# Altium PCB qfc.PcbDoc (part 13 of 13) (continued)
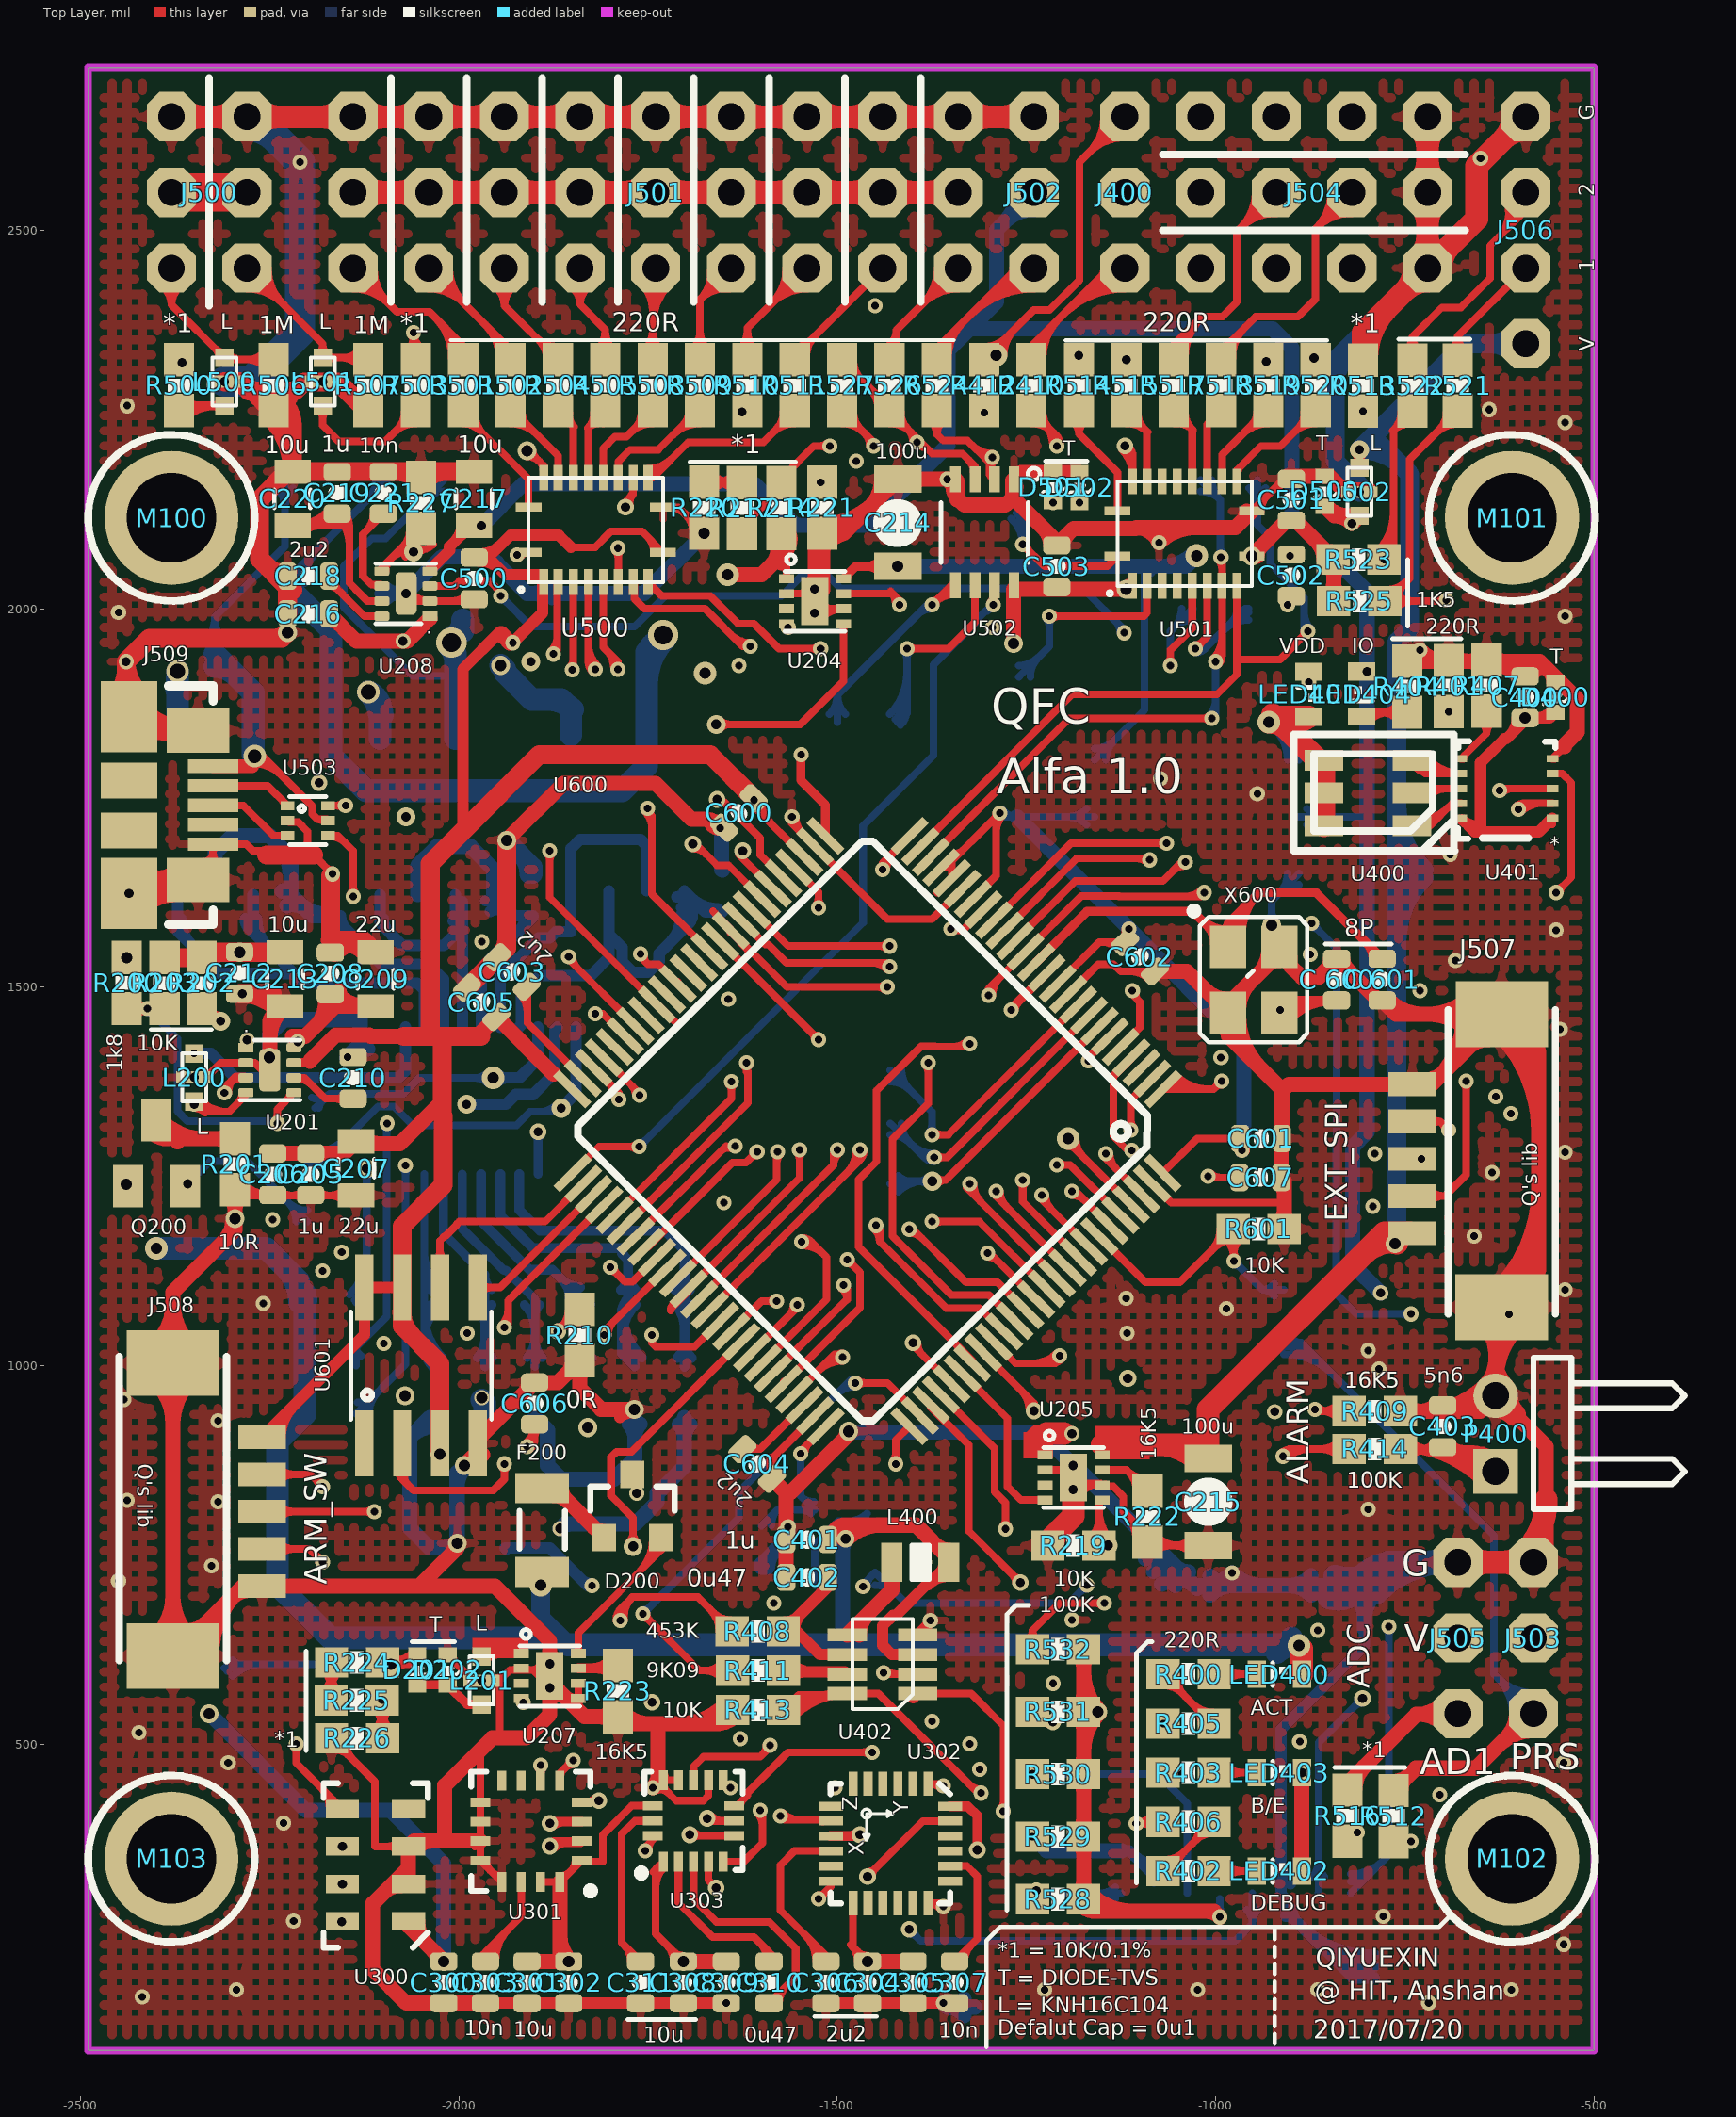
[diagram p0: Top Layer view]
## Nets (pads, with @x,y where several pads share a name; then routed paths per layer and width w, separated by ;. In a path a pad name is that pad's centre, name@x,y a point inside that pad or via, vN(x,y) a via of type N, cw(c..) or ccw(c..) an arc to the next point about the centre after c; other vN are vias at no path point) (continued)
  Bottom Layer w15: v1(-2350,1412.24) -2327.59,1412.24 -2295.51,1380.16 -2079.84,1380.16 -2070.5,1389.5 U206.15@-2070.5,1447
  Bottom Layer w20: -1493,631 -1493,767 v9(-1489,771) ; -1493,757.72 cw(c-1475.72,757.72) v9@-1487.94,769.94 ; -1493,757.72 cw(c-1475.72,757.72) v9@-1487.94,769.94 ; -1493,757.72 cw(c-1475.72,757.72) v9@-1487.94,769.94 ; -1493,757.72 cw(c-1475.72,757.72) v9@-1487.94,769.94
  Bottom Layer w25: v5(-1892,710) -1892,666.86 -1856.14,631
  Bottom Layer w30: v5(-2400,1155) -2255,1155 -2212,1112 -2212,1103.24 -2203.5,1094.74 R204.2@-2203.5,1083 R205.2@-2203.5,999.53 R206.2@-2203.5,936.06 -2240,899.56 -2240,710 -2170,640 -1880,640 ; U203.5@-2372,1828 -2372,1893 ; U202.5@-2104.5,1828 -2104.5,1874.5 v10(-2120,1890) ; v3(-1945,1925) -1939.5,1919.5 -1939.5,1915.71 -1903.79,1880 -1865,1880 -1852,1867 U200.5@-1852,1833 ; -1856.14,631 -1493,631 -909,631 v5@-900,640 ; -2372,1893 -2373,1892 v10(-2372,1917) -2372,1893 ; -2229.94,1129.94 cw(c-2276.88,1083) R204.2@-2210.5,1083 ; -2229.94,1129.94 cw(c-2276.88,1083) R204.2@-2210.5,1083 ; -2229.94,1129.94 cw(c-2276.88,1083) R204.2@-2210.5,1083 ; -2229.94,1129.94 cw(c-2276.88,1083) R204.2@-2210.5,1083 ; -2223.25,1123.25 cw(c-2255.54,1090.95) R204.2@-2210.43,1083.79 ; -2223.25,1123.25 cw(c-2255.54,1090.95) R204.2@-2210.43,1083.79 ; -2223.25,1123.25 cw(c-2255.54,1090.95) R204.2@-2210.43,1083.79 ; -2223.25,1123.25 cw(c-2255.54,1090.95) R204.2@-2210.43,1083.79 ; -2212,1110.77 ccw(c-2177.73,1110.77) R204.2@-2201.96,1086.54 ; -2212,1110.77 ccw(c-2177.73,1110.77) R204.2@-2201.96,1086.54 ; -2212,1110.77 ccw(c-2177.73,1110.77) R204.2@-2201.96,1086.54 ; -2212,1110.77 ccw(c-2177.73,1110.77) R204.2@-2201.96,1086.54 ; v10(-2120,1890) cw(c-2157.42,1852.58) U202.5@-2104.5,1852.58 ; v10(-2120,1890) cw(c-2127.75,1868.08) U202.5@-2104.5,1868.08 ; v10(-2120,1890) cw(c-2157.42,1852.58) U202.5@-2104.5,1852.58 ; v10(-2120,1890) cw(c-2127.75,1868.08) U202.5@-2104.5,1868.08 ; v10(-2120,1890) cw(c-2157.42,1852.58) U202.5@-2104.5,1852.58 ; v10(-2120,1890) cw(c-2127.75,1868.08) U202.5@-2104.5,1868.08 ; v10(-2120,1890) cw(c-2157.42,1852.58) U202.5@-2104.5,1852.58 ; v10@-2109.98,1879.98 cw(c-2130.46,1859.5) U202.5@-2101.5,1859.5 ; v10@-2109.98,1879.98 cw(c-2130.46,1859.5) U202.5@-2101.5,1859.5 ; v10@-2109.98,1879.98 cw(c-2130.46,1859.5) U202.5@-2101.5,1859.5 ; v10@-2109.98,1879.98 cw(c-2130.46,1859.5) U202.5@-2101.5,1859.5 ; -1882.17,1880 cw(c-1882.17,1834.33) U200.5@-1849.88,1866.62 ; -1882.17,1880 cw(c-1882.17,1834.33) U200.5@-1849.88,1866.62 ; -1882.17,1880 cw(c-1882.17,1834.33) U200.5@-1849.88,1866.62 ; -1882.17,1880 cw(c-1882.17,1834.33) U200.5@-1849.88,1866.62 ; -919,621 cw(c-895.95,597.95) v5(-890,630) ; -919,621 cw(c-895.95,597.95) v5(-890,630) ; -919,621 cw(c-895.95,597.95) v5(-890,630)
VDD_5V_PERIPH: 5V_PER.P$1 C215.P$1 J506.VCC J507.1 L502.P$2 U205.8 | length 4765.9
  Top Layer w13: C215.P$1@-1014.6,881.68 C215.P$1@-1010,877.09 ; L502.P$2@-810,2186 v6(-810,2210) ; v6@-814.24,2205.76 cw(c-824.49,2195.51) L502.P$2@-810,2195.51 ; v6@-814.24,2205.76 cw(c-824.49,2195.51) L502.P$2@-810,2195.51 ; v6@-814.24,2205.76 cw(c-824.49,2195.51) L502.P$2@-810,2195.51 ; v6@-814.24,2205.76 cw(c-824.49,2195.51) L502.P$2@-810,2195.51 ; L502.P$2@-813.89,2189.89 ccw(c-823.28,2199.28) v6@-810,2199.28 ; L502.P$2@-813.89,2189.89 ccw(c-823.28,2199.28) v6@-810,2199.28 ; L502.P$2@-813.89,2189.89 ccw(c-823.28,2199.28) v6@-810,2199.28 ; L502.P$2@-813.89,2189.89 ccw(c-823.28,2199.28) v6@-810,2199.28 ; L502.P$2@-810,2195.51 cw(c-795.51,2195.51) v6@-805.76,2205.76 ; L502.P$2@-810,2195.51 cw(c-795.51,2195.51) v6@-805.76,2205.76 ; L502.P$2@-810,2195.51 cw(c-795.51,2195.51) v6@-805.76,2205.76 ; L502.P$2@-810,2195.51 cw(c-795.51,2195.51) v6@-805.76,2205.76 ; v6@-810,2199.28 ccw(c-796.72,2199.28) L502.P$2@-806.11,2189.89 ; v6@-810,2199.28 ccw(c-796.72,2199.28) L502.P$2@-806.11,2189.89 ; v6@-810,2199.28 ccw(c-796.72,2199.28) L502.P$2@-806.11,2189.89 ; v6@-810,2199.28 ccw(c-796.72,2199.28) L502.P$2@-806.11,2189.89
  Top Layer w30: -1150,895 -1027.91,895 C215.P$1@-1010,877.09 -1010,942 -777,1175 ; -1073.99,895 cw(c-1073.99,826.59) C215.P$1@-1025.62,874.96 ; -1073.99,895 cw(c-1073.99,826.59) C215.P$1@-1025.62,874.96 ; -1073.99,895 cw(c-1073.99,826.59) C215.P$1@-1025.62,874.96 ; -1073.99,895 cw(c-1073.99,826.59) C215.P$1@-1025.62,874.96 ; -806.53,1145.47 cw(c-763,1101.94) J507.1@-763,1163.5 ; -806.53,1145.47 cw(c-763,1101.94) J507.1@-763,1163.5 ; -806.53,1145.47 cw(c-763,1101.94) J507.1@-763,1163.5 ; -806.53,1145.47 cw(c-763,1101.94) J507.1@-763,1163.5 ; -793.77,1158.23 cw(c-755.75,1120.2) J507.1@-755.75,1173.98 ; -793.77,1158.23 cw(c-755.75,1120.2) J507.1@-755.75,1173.98 ; -793.77,1158.23 cw(c-755.75,1120.2) J507.1@-755.75,1173.98 ; -793.77,1158.23 cw(c-755.75,1120.2) J507.1@-755.75,1173.98 ; -787.76,1164.24 cw(c-762.65,1139.12) J507.1@-755.89,1173.99 ; -787.76,1164.24 cw(c-762.65,1139.12) J507.1@-755.89,1173.99 ; -787.76,1164.24 cw(c-762.65,1139.12) J507.1@-755.89,1173.99 ; -787.76,1164.24 cw(c-762.65,1139.12) J507.1@-755.89,1173.99 ; -777,1175 cw(c-777,1158.23) J507.1@-760.55,1161.49 ; -777,1175 cw(c-777,1158.23) J507.1@-760.55,1161.49 ; -777,1175 cw(c-777,1158.23) J507.1@-760.55,1161.49 ; -777,1175 J507.1@-743,1175 ; J507.1@-765.16,1162.26 cw(c-743,1149.36) J507.1@-743,1175 ; J507.1@-765.16,1162.26 cw(c-743,1149.36) J507.1@-743,1175 ; J507.1@-765.16,1162.26 cw(c-743,1149.36) J507.1@-743,1175 ; J507.1@-765.16,1162.26 cw(c-743,1149.36) J507.1@-743,1175
  Bottom Layer w10: -760.5,1646 -756.5,1650
  Bottom Layer w25: v3@-760.5,1163.5 -760.5,1646 -760.5,1956.5 -743.54,1973.46 -743.54,2177.54 -793,2227 ; J506.VCC@-590,2350 -670,2350 -793,2227 ; v6(-810,2210) cw(c-810,2127.92) -751.96,2185.96 ; v6(-810,2210) cw(c-810,2127.92) -751.96,2185.96 ; v6(-810,2210) cw(c-810,2127.92) -751.96,2185.96 ; v6(-810,2210) cw(c-810,2127.92) -751.96,2185.96 ; v6(-810,2210) -793,2227 ; -760.5,1558.26 cw(c-638.26,1558.26) 5V_PER.P$1@-724.7,1644.7 ; -760.5,1558.26 cw(c-638.26,1558.26) 5V_PER.P$1@-724.7,1644.7 ; -760.5,1558.26 cw(c-638.26,1558.26) 5V_PER.P$1@-724.7,1644.7 ; -760.5,1558.26 cw(c-638.26,1558.26) 5V_PER.P$1@-724.7,1644.7 ; -760.5,1618.62 cw(c-698.62,1618.62) 5V_PER.P$1@-742.37,1662.37 ; -760.5,1618.62 cw(c-698.62,1618.62) 5V_PER.P$1@-742.37,1662.37 ; -760.5,1618.62 cw(c-698.62,1618.62) 5V_PER.P$1@-742.37,1662.37 ; -760.5,1618.62 cw(c-698.62,1618.62) 5V_PER.P$1@-742.37,1662.37 ; -760.5,1681.38 ccw(c-698.62,1681.38) 5V_PER.P$1@-742.37,1637.63 ; -760.5,1681.38 ccw(c-698.62,1681.38) 5V_PER.P$1@-742.37,1637.63 ; -760.5,1681.38 ccw(c-698.62,1681.38) 5V_PER.P$1@-742.37,1637.63 ; -760.5,1681.38 ccw(c-698.62,1681.38) 5V_PER.P$1@-742.37,1637.63 ; -760.5,1741.74 ccw(c-638.26,1741.74) 5V_PER.P$1@-724.7,1655.3 ; -760.5,1741.74 ccw(c-638.26,1741.74) 5V_PER.P$1@-724.7,1655.3 ; -760.5,1741.74 ccw(c-638.26,1741.74) 5V_PER.P$1@-724.7,1655.3 ; -760.5,1741.74 ccw(c-638.26,1741.74) 5V_PER.P$1@-724.7,1655.3 ; -638.28,2350 cw(c-638.28,2301.72) J506.VCC@-604.14,2335.86 ; -638.28,2350 ccw(c-638.28,2398.28) J506.VCC@-604.14,2364.14 ; -638.28,2350 cw(c-638.28,2301.72) J506.VCC@-604.14,2335.86 ; -638.28,2350 ccw(c-638.28,2398.28) J506.VCC@-604.14,2364.14 ; -638.28,2350 cw(c-638.28,2301.72) J506.VCC@-604.14,2335.86 ; -638.28,2350 ccw(c-638.28,2398.28) J506.VCC@-604.14,2364.14 ; -638.28,2350 cw(c-638.28,2301.72) J506.VCC@-604.14,2335.86 ; -638.28,2350 ccw(c-638.28,2398.28) J506.VCC@-604.14,2364.14
  other v3: -763,1161
VDD_SENSOR: 5V_SEN.P$1 C203.P$1 D201.A J501.VCC R208.2 R224.2 U202.7 U206.23 | length 11369.2
  Top Layer w15: v3(-2090,605) -2092.61,607.61 R224.2@-2101,607.61 -2065,607.61 D201.A@-2055,617.61 ; R224.2@-2090.16,598.78 cw(c-2068.82,577.44) -2068.82,607.61 ; R224.2@-2090.16,598.78 cw(c-2068.82,577.44) -2068.82,607.61 ; R224.2@-2090.16,598.78 cw(c-2068.82,577.44) -2068.82,607.61 ; R224.2@-2090.16,598.78 cw(c-2068.82,577.44) -2068.82,607.61 ; R224.2@-2090.16,616.45 ccw(c-2068.82,637.79) -2068.82,607.61 ; R224.2@-2090.16,616.45 ccw(c-2068.82,637.79) -2068.82,607.61 ; R224.2@-2090.16,616.45 ccw(c-2068.82,637.79) -2068.82,607.61 ; R224.2@-2090.16,616.45 ccw(c-2068.82,637.79) -2068.82,607.61 ; R224.2@-2087.18,607.61 ccw(c-2087.18,647.79) D201.A@-2058.77,619.38 ; R224.2@-2087.18,607.61 ccw(c-2087.18,647.79) D201.A@-2058.77,619.38 ; R224.2@-2087.18,607.61 ccw(c-2087.18,647.79) D201.A@-2058.77,619.38 ; R224.2@-2087.18,607.61 ccw(c-2087.18,647.79) D201.A@-2058.77,619.38 ; R224.2@-2086.46,601.46 cw(c-2071.62,586.62) -2071.62,607.61 ; R224.2@-2086.46,601.46 cw(c-2071.62,586.62) -2071.62,607.61 ; R224.2@-2086.46,601.46 cw(c-2071.62,586.62) -2071.62,607.61 ; R224.2@-2086.46,601.46 cw(c-2071.62,586.62) -2071.62,607.61
  Top Layer w30: J501.VCC@-2140,2550 J501.VCC@-2040,2550 J501.VCC@-1940,2550 J501.VCC@-1840,2550 J501.VCC@-1740,2550 J501.VCC@-1640,2550 J501.VCC@-1540,2550 J501.VCC@-1440,2550 J501.VCC@-1340,2550 ; J501.VCC@-2127.63,2537.63 cw(c-2097.75,2507.75) -2097.75,2550 ; J501.VCC@-2127.63,2537.63 cw(c-2097.75,2507.75) -2097.75,2550 ; J501.VCC@-2127.63,2537.63 cw(c-2097.75,2507.75) -2097.75,2550 ; J501.VCC@-2127.63,2537.63 cw(c-2097.75,2507.75) -2097.75,2550 ; J501.VCC@-2127.63,2562.38 ccw(c-2097.75,2592.25) -2097.75,2550 ; J501.VCC@-2127.63,2562.38 ccw(c-2097.75,2592.25) -2097.75,2550 ; J501.VCC@-2127.63,2562.38 ccw(c-2097.75,2592.25) -2097.75,2550 ; J501.VCC@-2127.63,2562.38 ccw(c-2097.75,2592.25) -2097.75,2550 ; -2082.25,2550 cw(c-2082.25,2507.75) J501.VCC@-2052.37,2537.63 ; -2082.25,2550 ccw(c-2082.25,2592.25) J501.VCC@-2052.37,2562.38 ; -2082.25,2550 cw(c-2082.25,2507.75) J501.VCC@-2052.37,2537.63 ; -2082.25,2550 ccw(c-2082.25,2592.25) J501.VCC@-2052.37,2562.38 ; -2082.25,2550 cw(c-2082.25,2507.75) J501.VCC@-2052.37,2537.63 ; -2082.25,2550 ccw(c-2082.25,2592.25) J501.VCC@-2052.37,2562.38 ; -2082.25,2550 cw(c-2082.25,2507.75) J501.VCC@-2052.37,2537.63 ; -2082.25,2550 ccw(c-2082.25,2592.25) J501.VCC@-2052.37,2562.38 ; J501.VCC@-2027.63,2537.63 cw(c-1997.75,2507.75) -1997.75,2550 ; J501.VCC@-2027.63,2537.63 cw(c-1997.75,2507.75) -1997.75,2550 ; J501.VCC@-2027.63,2537.63 cw(c-1997.75,2507.75) -1997.75,2550 ; J501.VCC@-2027.63,2537.63 cw(c-1997.75,2507.75) -1997.75,2550 ; J501.VCC@-2027.63,2562.38 ccw(c-1997.75,2592.25) -1997.75,2550 ; J501.VCC@-2027.63,2562.38 ccw(c-1997.75,2592.25) -1997.75,2550 ; J501.VCC@-2027.63,2562.38 ccw(c-1997.75,2592.25) -1997.75,2550 ; J501.VCC@-2027.63,2562.38 ccw(c-1997.75,2592.25) -1997.75,2550 ; -1982.25,2550 cw(c-1982.25,2507.75) J501.VCC@-1952.37,2537.63 ; -1982.25,2550 ccw(c-1982.25,2592.25) J501.VCC@-1952.37,2562.38 ; -1982.25,2550 cw(c-1982.25,2507.75) J501.VCC@-1952.37,2537.63 ; -1982.25,2550 ccw(c-1982.25,2592.25) J501.VCC@-1952.37,2562.38 ; -1982.25,2550 cw(c-1982.25,2507.75) J501.VCC@-1952.37,2537.63 ; -1982.25,2550 ccw(c-1982.25,2592.25) J501.VCC@-1952.37,2562.38 ; -1982.25,2550 cw(c-1982.25,2507.75) J501.VCC@-1952.37,2537.63 ; -1982.25,2550 ccw(c-1982.25,2592.25) J501.VCC@-1952.37,2562.38 ; J501.VCC@-1927.63,2537.63 cw(c-1897.75,2507.75) -1897.75,2550 ; J501.VCC@-1927.63,2537.63 cw(c-1897.75,2507.75) -1897.75,2550 ; J501.VCC@-1927.63,2537.63 cw(c-1897.75,2507.75) -1897.75,2550 ; J501.VCC@-1927.63,2537.63 cw(c-1897.75,2507.75) -1897.75,2550 ; J501.VCC@-1927.63,2562.38 ccw(c-1897.75,2592.25) -1897.75,2550 ; J501.VCC@-1927.63,2562.38 ccw(c-1897.75,2592.25) -1897.75,2550 ; J501.VCC@-1927.63,2562.38 ccw(c-1897.75,2592.25) -1897.75,2550 ; J501.VCC@-1927.63,2562.38 ccw(c-1897.75,2592.25) -1897.75,2550 ; -1882.25,2550 cw(c-1882.25,2507.75) J501.VCC@-1852.37,2537.63 ; -1882.25,2550 ccw(c-1882.25,2592.25) J501.VCC@-1852.37,2562.38 ; -1882.25,2550 cw(c-1882.25,2507.75) J501.VCC@-1852.37,2537.63 ; -1882.25,2550 ccw(c-1882.25,2592.25) J501.VCC@-1852.37,2562.38 ; -1882.25,2550 cw(c-1882.25,2507.75) J501.VCC@-1852.37,2537.63 ; -1882.25,2550 ccw(c-1882.25,2592.25) J501.VCC@-1852.37,2562.38 ; -1882.25,2550 cw(c-1882.25,2507.75) J501.VCC@-1852.37,2537.63 ; -1882.25,2550 ccw(c-1882.25,2592.25) J501.VCC@-1852.37,2562.38 ; J501.VCC@-1827.63,2537.63 cw(c-1797.75,2507.75) -1797.75,2550 ; J501.VCC@-1827.63,2537.63 cw(c-1797.75,2507.75) -1797.75,2550 ; J501.VCC@-1827.63,2537.63 cw(c-1797.75,2507.75) -1797.75,2550 ; J501.VCC@-1827.63,2537.63 cw(c-1797.75,2507.75) -1797.75,2550 ; J501.VCC@-1827.63,2562.38 ccw(c-1797.75,2592.25) -1797.75,2550 ; J501.VCC@-1827.63,2562.38 ccw(c-1797.75,2592.25) -1797.75,2550 ; J501.VCC@-1827.63,2562.38 ccw(c-1797.75,2592.25) -1797.75,2550 ; J501.VCC@-1827.63,2562.38 ccw(c-1797.75,2592.25) -1797.75,2550 ; -1782.25,2550 cw(c-1782.25,2507.75) J501.VCC@-1752.37,2537.63 ; -1782.25,2550 ccw(c-1782.25,2592.25) J501.VCC@-1752.37,2562.38 ; -1782.25,2550 cw(c-1782.25,2507.75) J501.VCC@-1752.37,2537.63 ; -1782.25,2550 ccw(c-1782.25,2592.25) J501.VCC@-1752.37,2562.38 ; -1782.25,2550 cw(c-1782.25,2507.75) J501.VCC@-1752.37,2537.63 ; -1782.25,2550 ccw(c-1782.25,2592.25) J501.VCC@-1752.37,2562.38 ; -1782.25,2550 cw(c-1782.25,2507.75) J501.VCC@-1752.37,2537.63 ; -1782.25,2550 ccw(c-1782.25,2592.25) J501.VCC@-1752.37,2562.38 ; J501.VCC@-1727.63,2537.63 cw(c-1697.75,2507.75) -1697.75,2550 ; J501.VCC@-1727.63,2537.63 cw(c-1697.75,2507.75) -1697.75,2550 ; J501.VCC@-1727.63,2537.63 cw(c-1697.75,2507.75) -1697.75,2550 ; J501.VCC@-1727.63,2537.63 cw(c-1697.75,2507.75) -1697.75,2550 ; J501.VCC@-1727.63,2562.38 ccw(c-1697.75,2592.25) -1697.75,2550 ; J501.VCC@-1727.63,2562.38 ccw(c-1697.75,2592.25) -1697.75,2550 ; J501.VCC@-1727.63,2562.38 ccw(c-1697.75,2592.25) -1697.75,2550 ; J501.VCC@-1727.63,2562.38 ccw(c-1697.75,2592.25) -1697.75,2550 ; -1682.25,2550 cw(c-1682.25,2507.75) J501.VCC@-1652.37,2537.63 ; -1682.25,2550 ccw(c-1682.25,2592.25) J501.VCC@-1652.37,2562.38 ; -1682.25,2550 cw(c-1682.25,2507.75) J501.VCC@-1652.37,2537.63 ; -1682.25,2550 ccw(c-1682.25,2592.25) J501.VCC@-1652.37,2562.38 ; -1682.25,2550 cw(c-1682.25,2507.75) J501.VCC@-1652.37,2537.63 ; -1682.25,2550 ccw(c-1682.25,2592.25) J501.VCC@-1652.37,2562.38 ; -1682.25,2550 cw(c-1682.25,2507.75) J501.VCC@-1652.37,2537.63 ; -1682.25,2550 ccw(c-1682.25,2592.25) J501.VCC@-1652.37,2562.38 ; J501.VCC@-1627.63,2537.63 cw(c-1597.75,2507.75) -1597.75,2550 ; J501.VCC@-1627.63,2537.63 cw(c-1597.75,2507.75) -1597.75,2550 ; J501.VCC@-1627.63,2537.63 cw(c-1597.75,2507.75) -1597.75,2550 ; J501.VCC@-1627.63,2537.63 cw(c-1597.75,2507.75) -1597.75,2550 ; J501.VCC@-1627.63,2562.38 ccw(c-1597.75,2592.25) -1597.75,2550 ; J501.VCC@-1627.63,2562.38 ccw(c-1597.75,2592.25) -1597.75,2550 ; J501.VCC@-1627.63,2562.38 ccw(c-1597.75,2592.25) -1597.75,2550 ; J501.VCC@-1627.63,2562.38 ccw(c-1597.75,2592.25) -1597.75,2550 ; -1582.25,2550 cw(c-1582.25,2507.75) J501.VCC@-1552.37,2537.63 ; -1582.25,2550 ccw(c-1582.25,2592.25) J501.VCC@-1552.37,2562.38 ; -1582.25,2550 cw(c-1582.25,2507.75) J501.VCC@-1552.37,2537.63 ; -1582.25,2550 ccw(c-1582.25,2592.25) J501.VCC@-1552.37,2562.38 ; -1582.25,2550 cw(c-1582.25,2507.75) J501.VCC@-1552.37,2537.63 ; -1582.25,2550 ccw(c-1582.25,2592.25) J501.VCC@-1552.37,2562.38 ; -1582.25,2550 cw(c-1582.25,2507.75) J501.VCC@-1552.37,2537.63 ; -1582.25,2550 ccw(c-1582.25,2592.25) J501.VCC@-1552.37,2562.38 ; J501.VCC@-1527.63,2537.63 cw(c-1497.75,2507.75) -1497.75,2550 ; J501.VCC@-1527.63,2537.63 cw(c-1497.75,2507.75) -1497.75,2550 ; J501.VCC@-1527.63,2537.63 cw(c-1497.75,2507.75) -1497.75,2550 ; J501.VCC@-1527.63,2537.63 cw(c-1497.75,2507.75) -1497.75,2550 ; J501.VCC@-1527.63,2562.38 ccw(c-1497.75,2592.25) -1497.75,2550 ; J501.VCC@-1527.63,2562.38 ccw(c-1497.75,2592.25) -1497.75,2550 ; J501.VCC@-1527.63,2562.38 ccw(c-1497.75,2592.25) -1497.75,2550 ; J501.VCC@-1527.63,2562.38 ccw(c-1497.75,2592.25) -1497.75,2550 ; -1482.25,2550 cw(c-1482.25,2507.75) J501.VCC@-1452.37,2537.63 ; -1482.25,2550 ccw(c-1482.25,2592.25) J501.VCC@-1452.37,2562.38 ; -1482.25,2550 cw(c-1482.25,2507.75) J501.VCC@-1452.37,2537.63 ; -1482.25,2550 ccw(c-1482.25,2592.25) J501.VCC@-1452.37,2562.38 ; -1482.25,2550 cw(c-1482.25,2507.75) J501.VCC@-1452.37,2537.63 ; -1482.25,2550 ccw(c-1482.25,2592.25) J501.VCC@-1452.37,2562.38 ; -1482.25,2550 cw(c-1482.25,2507.75) J501.VCC@-1452.37,2537.63 ; -1482.25,2550 ccw(c-1482.25,2592.25) J501.VCC@-1452.37,2562.38 ; J501.VCC@-1427.63,2537.63 cw(c-1397.75,2507.75) -1397.75,2550 ; J501.VCC@-1427.63,2537.63 cw(c-1397.75,2507.75) -1397.75,2550 ; J501.VCC@-1427.63,2537.63 cw(c-1397.75,2507.75) -1397.75,2550 ; J501.VCC@-1427.63,2537.63 cw(c-1397.75,2507.75) -1397.75,2550 ; J501.VCC@-1427.63,2562.38 ccw(c-1397.75,2592.25) -1397.75,2550 ; J501.VCC@-1427.63,2562.38 ccw(c-1397.75,2592.25) -1397.75,2550 ; J501.VCC@-1427.63,2562.38 ccw(c-1397.75,2592.25) -1397.75,2550 ; J501.VCC@-1427.63,2562.38 ccw(c-1397.75,2592.25) -1397.75,2550 ; -1382.25,2550 cw(c-1382.25,2507.75) J501.VCC@-1352.37,2537.63 ; -1382.25,2550 ccw(c-1382.25,2592.25) J501.VCC@-1352.37,2562.38 ; -1382.25,2550 cw(c-1382.25,2507.75) J501.VCC@-1352.37,2537.63 ; -1382.25,2550 ccw(c-1382.25,2592.25) J501.VCC@-1352.37,2562.38 ; -1382.25,2550 cw(c-1382.25,2507.75) J501.VCC@-1352.37,2537.63 ; -1382.25,2550 ccw(c-1382.25,2592.25) J501.VCC@-1352.37,2562.38 ; -1382.25,2550 cw(c-1382.25,2507.75) J501.VCC@-1352.37,2537.63 ; -1382.25,2550 ccw(c-1382.25,2592.25) J501.VCC@-1352.37,2562.38
  Mid-Layer 1 w15: v3(-2071.5,960) -2042.5,931 -1834,931 -1830,927 v3(-1830,918) ; -1873.46,931 cw(c-1873.46,874.54) v3@-1833.54,914.46 ; -1873.46,931 cw(c-1873.46,874.54) v3@-1833.54,914.46 ; -1873.46,931 cw(c-1873.46,874.54) v3@-1833.54,914.46 ; -1873.46,931 cw(c-1873.46,874.54) v3@-1833.54,914.46 ; -1838.5,935.5 cw(c-1849.5,924.5) v3@-1834.74,919.58 ; -1838.5,935.5 cw(c-1849.5,924.5) v3@-1834.74,919.58 ; -1838.5,935.5 cw(c-1849.5,924.5) v3@-1834.74,919.58 ; -1837.25,931 cw(c-1837.25,910.75) v3@-1822.93,925.07 ; -1837.25,931 cw(c-1837.25,910.75) v3@-1822.93,925.07 ; -1837.25,931 cw(c-1837.25,910.75) v3@-1822.93,925.07 ; -1837.25,931 cw(c-1837.25,910.75) v3@-1822.93,925.07
  Mid-Layer 2 w25: v3(-2090,605) -2071.5,623.5 v3(-2071.5,960) ; -2071.5,1042.76 -2071.5,1204 -1999.5,1276 v8@-1999.5,1955 ; v3@-2070,961.5 -2070,1041.26 ; v8@-2015.3,1949.7 cw(c-2053.46,1911.54) -1999.5,1911.54 ; v8@-2015.3,1949.7 cw(c-2053.46,1911.54) -1999.5,1911.54 ; v8@-2015.3,1949.7 cw(c-2053.46,1911.54) -1999.5,1911.54 ; v8@-2015.3,1949.7 cw(c-2053.46,1911.54) -1999.5,1911.54 ; -1999.5,1322.07 cw(c-1967.06,1322.07) v6(-1990,1345) ; -1999.5,1322.07 cw(c-1967.06,1322.07) v6(-1990,1345) ; -1999.5,1322.07 cw(c-1967.06,1322.07) v6(-1990,1345) ; -1999.5,1322.07 cw(c-1967.06,1322.07) v6(-1990,1345) ; -1999.5,1367.93 ccw(c-1967.06,1367.93) v6(-1990,1345) ; -1999.5,1367.93 ccw(c-1967.06,1367.93) v6(-1990,1345) ; -1999.5,1367.93 ccw(c-1967.06,1367.93) v6(-1990,1345) ; -1999.5,1367.93 ccw(c-1967.06,1367.93) v6(-1990,1345)
  Mid-Layer 2 w40: v8(-2010,1955) -2015,1960 -2015,2199 -2207,2391 -2207,2523 -2180,2550 J501.VCC@-2140,2550 J501.VCC@-2040,2550 J501.VCC@-1940,2550 J501.VCC@-1840,2550 J501.VCC@-1740,2550 J501.VCC@-1640,2550 J501.VCC@-1540,2550 J501.VCC@-1440,2550 J501.VCC@-1340,2550 ; -2227,2503 cw(c-2143.59,2419.6) J501.VCC@-2140.34,2537.51 ; -2227,2503 cw(c-2143.59,2419.6) J501.VCC@-2140.34,2537.51 ; -2227,2503 cw(c-2143.59,2419.6) J501.VCC@-2140.34,2537.51 ; -2200,2530 cw(c-2166.68,2496.68) J501.VCC@-2145.59,2538.82 ; -2200,2530 cw(c-2166.68,2496.68) J501.VCC@-2145.59,2538.82 ; -2200,2530 cw(c-2166.68,2496.68) J501.VCC@-2145.59,2538.82
  Bottom Layer w10: 5V_SEN.P$1@-2310,600 -2305,605 v3(-2090,605) ; -2035,2170 cw(c-2071.21,2170) -2045.61,2144.39 cw(c-2020,2118.79) -2020,2155 ; -2020,2170 -2097,2093 -2115,2093 -2152,2056 -2152,2002 -2061,1911 -2004.5,1911 ; 5V_SEN.P$1@-2306.46,596.46 cw(c-2285.86,575.86) -2285.86,605 ; 5V_SEN.P$1@-2306.46,596.46 cw(c-2285.86,575.86) -2285.86,605 ; 5V_SEN.P$1@-2306.46,596.46 cw(c-2285.86,575.86) -2285.86,605 ; 5V_SEN.P$1@-2299.39,589.39 cw(c-2261.72,551.72) -2261.72,605 ; 5V_SEN.P$1@-2299.39,589.39 cw(c-2261.72,551.72) -2261.72,605 ; 5V_SEN.P$1@-2299.39,589.39 cw(c-2261.72,551.72) -2261.72,605 ; 5V_SEN.P$1@-2299.39,610.61 ccw(c-2285.86,624.14) -2285.86,605 ; 5V_SEN.P$1@-2299.39,610.61 ccw(c-2285.86,624.14) -2285.86,605 ; 5V_SEN.P$1@-2299.39,610.61 ccw(c-2285.86,624.14) -2285.86,605 ; -2108.11,605 cw(c-2108.11,586.89) v3@-2095.3,599.7 ; -2108.11,605 ccw(c-2108.11,623.11) v3@-2095.3,610.3 ; -2108.11,605 cw(c-2108.11,586.89) v3@-2095.3,599.7 ; -2108.11,605 ccw(c-2108.11,623.11) v3@-2095.3,610.3 ; -2108.11,605 cw(c-2108.11,586.89) v3@-2095.3,599.7 ; -2108.11,605 ccw(c-2108.11,623.11) v3@-2095.3,610.3
  Bottom Layer w15: v6(-1990,1345) -1938,1345 -1925,1358 -1902,1358 -1873.5,1386.5 -1873.5,1444 U206.23@-1870.5,1447
  Bottom Layer w30: U202.7@-2004.5,1828 -2004.5,1911 v8@-2004.5,1940.5 ; -1995,1970 -1995,1985 ; v8@-2013.54,1951.46 cw(c-2035.35,1929.65) -2004.5,1929.65 ; v8@-2013.54,1951.46 cw(c-2035.35,1929.65) -2004.5,1929.65 ; v8@-2013.54,1951.46 cw(c-2035.35,1929.65) -2004.5,1929.65 ; v8@-2013.54,1951.46 cw(c-2035.35,1929.65) -2004.5,1929.65 ; v8@-2011.92,1959.62 ccw(c-2022.5,1985) -1995,1985 ; v8@-2011.92,1959.62 ccw(c-2022.5,1985) -1995,1985 ; v8@-2011.92,1959.62 ccw(c-2022.5,1985) -1995,1985 ; v8@-2011.92,1959.62 ccw(c-2022.5,1985) -1995,1985
VDD_SERVO_IN: L201.P$2 U207.1 | length 137.9
  Top Layer w13: L201.P$2@-1970,615.61 -1966.09,619.53 -1937,619.53 U207.1@-1917.4,619.53 ; L201.P$2@-1966.11,611.72 cw(c-1947.27,592.89) -1947.27,619.53 ; L201.P$2@-1966.11,611.72 cw(c-1947.27,592.89) -1947.27,619.53 ; L201.P$2@-1966.11,611.72 cw(c-1947.27,592.89) -1947.27,619.53 ; L201.P$2@-1966.11,611.72 cw(c-1947.27,592.89) -1947.27,619.53
pads on no net: J509.GND5 J509.GND6 J509.ID M100.0 M101.0 M102.0 M103.0 U200.6 U200.8 U202.6 U202.8 U203.6 U203.8 U204.3 U205.3 U206.1 U206.2 U206.14 U207.3 U300.4 U301.7 U301.8 U302.2 U302.3 U302.4 U302.5 U302.6 U302.7 U302.11 U302.14 U302.15 U302.16 U302.17 U302.19 U302.21 U302.22 U501.4 U501.5 U501.16 U501.17 U600.3 U600.38 U600.39 U600.41 U600.43 U600.46

## Polygon pours and split planes (outlines as drawn)
GND on Top Layer "Top Layer-No Net" (hatched 90Degree grid 20 track 12, remove dead copper): -2568,2772 -2562,2778 -432,2778 -432,70 -457,45 -459,47 -2519,47 -2519,2744 -2525,2750
GND on Mid-Layer 1 "Top Layer-No Net" (hatched 90Degree grid 20 track 12, remove dead copper): -2558,2786 -2552,2792 -422,2792 -422,84 -447,59 -449,61 -2509,61 -2509,2758 -2515,2764
GND on Mid-Layer 2 "Top Layer-No Net" (hatched 90Degree grid 20 track 12, remove dead copper): -2561,2744 -2555,2750 -425,2750 -425,42 -450,17 -452,19 -2512,19 -2512,2716 -2518,2722
GND on Bottom Layer "Top Layer-No Net" (hatched 90Degree grid 20 track 12, remove dead copper): -2569,2758 -2563,2764 -433,2764 -433,56 -458,31 -460,33 -2520,33 -2520,2730 -2526,2736

## Keep-outs
Keep-Out Layer:
  the board outline again, w9.84

## Other copper
Top Layer:
  rectangle net VDD_SERVO_IN: -1982,619.53 -1908,640
  rectangle net VDD_5V_IN: -1254,877 -1215,912
  rectangle net VDD_5V_PERIPH: -1160,876 -1087,920

## Silkscreen, mask and mechanical layers (free items; w line width, h text height)
Top Overlay:
  lines w5: -2011.03,2355 -1346,2355
  lines w6: -2407,1444 -2327,1444 ; -2202,491 -2202,623 ; -2062,635 -2006,635 ; -1777,136 -1687,136 ; -1695,2194 -1555,2194 ; -1530,140 -1448,140 ; -1303,100 -1303,240 -1284.8,258.2 -704.8,258.2 -691,272 ; -1276,280 -1276,671 -1264,683 -1247,683 ; -1225,2195 -1170,2195 ; -1198,2354.5 -853,2354.5 ; -1104.5,316 -1104.5,620.5 -1090,635 -1084,635 ; -922,104 -922,117 ; -922,127 -922,140 ; -922,150 -922,163 ; -922,173 -922,186 ; -922,196 -922,209 ; -922,219 -922,232 ; -922,242 -922,255 ; -855,1557 -768,1557 ; -843,469 -750,469 ; -766,1960 -676,1960 ; -758,2356 -664,2356 ; -746,1977 -746,2065
  text "L" at -2314.84,2369.62 h20.47
  text "L" at -2184.84,2369.62 h20.47
  text "220R" at -1798,2366 h25
  text "220R" at -1096,2366 h25
  text "*1" at -2391,2365 h25
  text "*1" at -2078.04,2365 h25
  text "*1" at -822,2365 h25
  text "1M" at -2264.82,2364 h23
  text "1M" at -2139.63,2364 h23
  text "T" at -866.98,2209 h20
  text "L" at -796,2209 h20
  text "10u" at -2002,2206 h23
  text "10u" at -2257,2205 h23
  text "*1" at -1640,2205 h25
  text "T" at -1201.98,2201.98 h20
  text "1K5" at -735,2002 h20
  text "220R" at -722,1967 h20
  text "VDD" at -916,1941 h20
  text "IO" at -820,1941 h20
  text "T" at -558,1927 h20
  text "QFC" at -1297,1832 h80
  text "Alfa 1.0" at -1289,1740 h80
  text "10u" at -2253,1573 h20.47
  text "22u" at -2137,1573 h20.47
  text "8P" at -830,1567 h23
  text "10K" at -2426,1416 h20.47
  text "L" at -2347,1306 h20.47
  text "EXT_SPI" at -816,1190 h50 r90
  text "22u" at -2159,1173.91 h20.47
  text "ALARM" at -867,843 h50 r90
  text "G" at -754,722 h35
  text "ARM_SW" at -2165,711 h50 r90
  text "100K" at -1233,674 h20.47
  text "L" at -1978,650 h20.47
  text "T" at -2039,648 h20.47
  text "220R" at -1068,627 h20.47
  text "V" at -751,623 h35
  text "ADC" at -787,573 h50 r90
  text "ACT" at -954,538 h20.47
  text "*1" at -2244,496 h20.47
  text "*1" at -806,482 h20.47
  text "PRS" at -611,466 h35
  text "AD1" at -730,460 h35
  text "B/E" at -954,409 h20.47
  text "DEBUG" at -954,280 h20.47
  text "*1 = 10K/0.1%" at -1288,218 h20
  text "QIYUEXIN" at -868,205 h25
  text "T = DIODE-TVS" at -1288.09,181.33 h20.47
  text "@ HIT, Anshan" at -869,162 h25
  text "L = KNH16C104" at -1288.09,144.75 h20.47
  text "Defalut Cap = 0u1" at -1288.09,115 h20.47
  text "2017/07/20" at -871,111 h25
  text "2u2" at -1515,107 h20.47
  text "10u" at -1756,106 h20.47
Bottom Overlay:
  drawing of 193 lines, arcs and shapes, not listed
  text "V" at -1062,2677 h25
  text "G" at -1173,2676 h25
  text "G" at -657,2667 h25
  text "G" at -515,2643 h25
  text "V" at -1176,2588 h25
  text "Rx4 Tx4" at -787.12,2356 h50
  text "V" at -520,2339 h25
  text "Rx3 Tx3" at -787.12,2304.09 h50
  text "iicSDA" at -640,2295 h45
  text "Rx1 Tx1" at -787.12,2251 h50
  text "iicSCL" at -640,2243 h45
  text "BATT_C" at -2398.6,2223 h50 r270
  text "BATT_V" at -2298.6,2223 h50 r270
  text "FMU-M1" at -2158.6,2213 h50 r270
  text "FMU-M2" at -2058.6,2213 h50 r270
  text "FMU-M3" at -1958.6,2213 h50 r270
  text "FMU-M4" at -1858.6,2213 h50 r270
  text "FMU-M5" at -1758.6,2213 h50 r270
  text "FMU-M6" at -1658.6,2213 h50 r270
  text "FMU-F1" at -1558.6,2213 h50 r270
  text "FMU-F2" at -1458.6,2213 h50 r270
  text "SBUSO" at -1358.6,2213 h50 r270
  text "SBUSIN" at -1258.6,2213 h50 r270
  text "SAFETY" at -1133,2213 h50 r270
  text "uart allocation:" at -550,1533 h30
  text "UART1 -> TELEM" at -636,1457 h30
  text "UART2 -> SBUS" at -637,1390 h30
  text "UART3 -> GPS" at -636,1322 h30
  text "UART4 -> DEBUG" at -636,1259 h30
Drill Drawing:
  text ".legend" at -2456,2883 h80

## Dimensions
-2490,95 to -500,95 on Top Overlay
-500,95 to -500,2715 on Top Overlay

## Text inside footprints (layer, text, board x,y; h text height)
J506: Top Overlay "1" at -500,2445 h20 r90; Top Overlay "V" at -500,2340 h20 r90; Top Overlay "G" at -500,2645 h20 r90; Top Overlay "2" at -500,2545 h20 r90
J507: Top Overlay "Q's lib" at -574.65,1210.16 h20 r90
J508: Top Overlay "Q's lib" at -2425.35,869.84 h20 r270
U206: Bottom Overlay "*" at -1782,1190 h30 r270; Mechanical 13 "*" at -1782,1235 h20 r270
U302: Top Overlay "X" at -1465.43,352.53 h20 r90; Top Overlay "Y" at -1406,407.9 h20 r90; Top Overlay "Z" at -1473.31,411.84 h20 r90
U401: Top Overlay "*" at -545,1707 h20 r180
U504: Mechanical 30 "card OUT" at -1099.5,-47 h20 r180; Mechanical 30 "card IN" at -1075.88,102 h20 r180